# KiCad board ardumower mega shield svn.kicad_pcb (continued)
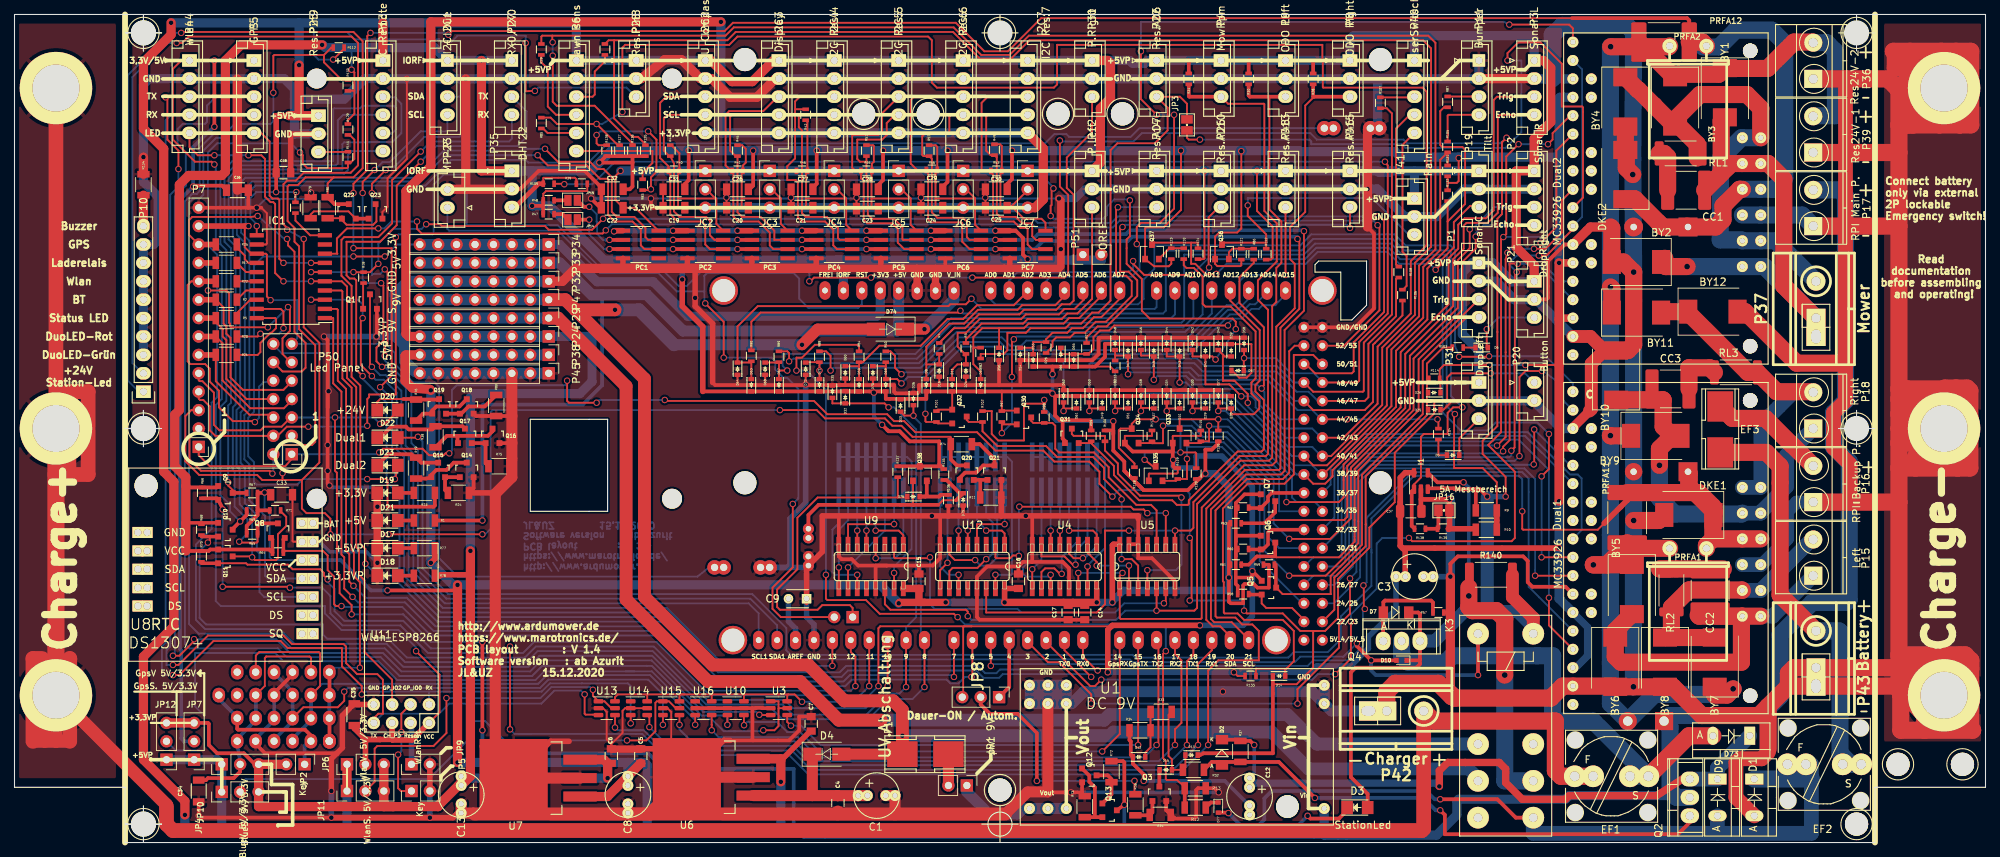
[diagram p0: board, top side]
## Routing (per net, layer and track width the routed paths; a pad name or vN(x,y) marks a point on that pad's centre or on a via; arc(x,y) is an arc through that point) (continued)
Resv.PinAD15: length 56.1
  Top w0.254: R27.1 147.83,69.72 149.35,71.25 150.62,71.25 154.81,75.44 154.81,77.6 153.61,78.8 152.53,78.8 152.46,78.87 152.46,84.84 152.59,84.96 v1(152.78,84.96) ; v1(184.15,84.84) P46.3
  Bottom w0.254: v1(184.15,84.84) 183.71,85.28 153.1,85.28 v1(152.78,84.96)
RX0: length 200.5
  Top w0.254: 147.57,27.69 SHIELD1.0 ; SHIELD1.0 147.32,25.65 149.23,23.75 v1(149.35,23.75) ; SHIELD1.0 147.32,26.92 ; SHIELD1.0 147.32,28.19 ; SHIELD1.0 147.32,28.83 ; v1(56.01,93.98) 52.7,90.68 52.7,85.22 50.42,82.93 45.78,82.93 45.78,78.3 46.23,77.85 46.86,77.85 47.12,77.6 47.12,65.28 v1(48.01,64.39)
  Bottom w0.254: P27.3 70.61,100.92 70.61,97.41 69.34,96.14 58.17,96.14 v1(56.01,93.98) ; v1(149.35,23.75) 149.23,23.88 135.89,23.88 135.38,23.37 133.86,23.37 132.84,24.38 114.68,24.38 113.79,23.5 97.03,23.5 89.41,31.11 58.55,31.11 53.09,36.58 53.09,48.01 51.31,49.78 51.31,60.71 48.01,64.01 v1(48.01,64.39)
RX1: length 103.7
  Top w0.254: v1(82.8,15.88) 82.8,17.59 U13.4 ; 165.1,27.18 SHIELD1.19 165.1,26.54 163.2,24.64 v1(163.2,13.46)
  Bottom w0.254: v1(82.8,15.88) 83.18,15.49 86.36,15.49 ; 86.36,15.49 84.64,15.49 ; 86.36,15.49 86.76,15.49 89.56,12.7 107.19,12.7 109.86,10.03 159.77,10.03 v1(163.2,13.46)
RX2: length 88.2
  Top w0.254: SHIELD1.17 160.02,26.03 160.91,25.15 160.91,16.51 160.02,15.62 v1(160.02,13.46) ; U15.4 91.69,16.26 v1(91.69,16.26)
  Bottom w0.254: v1(160.02,13.46) 157.8,11.24 110.3,11.24 107.57,13.97 93.34,13.97 91.69,15.62 v1(91.69,16.26)
SCL: length 187.7
  Top w0.254: SHIELD1.21 170.18,28.07 167.83,30.42 165.42,30.42 164.97,30.86 164.97,45.97 169.8,50.8 174.62,50.8 175.13,51.31 175.13,70.74 177.8,73.41 v1(177.8,84.39) ; PC5.2 118.74,83.19
  Top w0.508: v1(82.04,83.19) PC1.2 ; v1(90.8,83.19) PC2.2 ; v1(99.69,83.19) PC3.2 ; v1(108.58,83.19) PC4.2 ; v1(117.48,83.19) PC5.2 ; v1(126.36,83.19) PC6.2 ; v1(135.26,83.19) PC7.2 ; v1(79.25,87.76) 78.5,87.76 JP15.1
  Bottom w0.254: v1(82.04,83.19) 81.15,83.19 80.33,84.01 80.33,85.62 80.26,85.68 80.26,86.74 v1(79.25,87.76)
  Bottom w0.508: v1(177.8,84.39) 177.67,84.52 153.8,84.52 153.26,83.98 141.13,83.98 140.34,83.19 v1(135.26,83.19) v1(126.36,83.19) v1(117.48,83.19) v1(108.58,83.19) v1(99.69,83.19) v1(90.8,83.19) v1(82.04,83.19) 81.53,83.19
SCL1: length 134.5
  Top w0.254: PC1.7 87.38,83.19 86.99,83.57 86.99,84.84 85.47,86.36 83.06,86.36 82.36,87.06 82.36,91.84 81.24,92.96 80.36,92.96 79.34,93.98 74.93,93.98 v1(73.15,95.76)
  Bottom w0.254: U8.5 34.42,33.91 33.78,34.54 33.78,39.88 33.4,40.26 33.4,45.21 31.75,46.86 31.75,51.82 31.18,52.39 31.18,59.37 31.75,59.94 31.75,82.8 30.67,83.88 30.67,90.61 31.81,91.76 55.44,91.76 59.18,95.5 69.98,95.5 70.23,95.76 v1(73.15,95.76)
  Bottom w1.016: 41.02,33.91 39.52,33.91
SCL2: length 28.9
  Top w0.254: I2C2.4 90.04,100.45 89.53,99.95 89.53,95.5 90.28,94.75 R44.2 90.93,93.74 90.93,87.12 91.69,86.36 95.38,86.36 95.88,85.85 95.88,83.82 96.52,83.19 PC2.7
SCL3: length 29.9
  Top w0.254: I2C3.4 100.2,100.45 100.2,100.46 98.93,100.46 98.68,100.2 98.68,95.5 99.43,94.75 R45.2 99.69,87 100.33,86.36 102.87,86.36 104.77,84.45 104.77,83.19 PC3.7
SCL4: length 28.7
  Top w0.254: I2C4.4 108.15,100.45 108.14,100.46 108.14,98.74 108.58,98.3 108.58,92.71 ; 108.58,92.71 108.58,86.87 109.09,86.36 112.01,86.36 113.54,84.84 113.54,83.44 113.79,83.19 PC4.7 ; 108.58,92.71 R46.2
SCL5: length 29.5
  Top w0.254: 117.48,93.98 116.59,93.98 116.2,94.36 116.2,97.03 119.63,97.03 120.27,97.66 120.27,99.31 121.4,100.45 I2C5.4 ; 117.48,93.98 117.48,91.69 117.67,91.5 117.67,86.68 118.24,86.11 121.29,86.11 122.43,84.96 122.43,83.31 122.55,83.19 PC5.7 ; 117.48,93.98 R51.2
SCL6: length 29.3
  Top w0.254: I2C6.4 129.15,100.45 128.91,100.2 128.91,97.92 128.78,97.79 125.48,97.79 125.16,97.47 125.16,94.93 125.34,94.75 R52.2 126.49,94.37 126.49,87 127.25,86.23 130.81,86.23 131.32,85.72 131.32,83.57 131.7,83.19 PC6.7
SCL7: length 29.3
  Top w0.254: I2C7.4 134.23,100.45 133.99,100.2 133.99,95.5 134.61,94.88 R49.2 135.45,94.56 135.45,86.8 135.89,86.36 138.05,86.36 138.94,85.47 140.21,85.47 140.34,85.34 140.34,83.69 140.84,83.19 PC7.7
SCL22: length 130.4
  Top w0.254: v1(49.66,92.84) 48.01,91.19 v1(48.01,89.66) ; v1(50.67,65.66) 49.91,66.42 49.91,68.33 50.86,69.28 50.86,76.9 v1(50.55,77.22)
  Bottom w0.254: I2C1.4 59.69,98.3 59.56,98.17 56.01,98.17 51.75,93.92 50.74,93.92 v1(49.66,92.84) ; v1(50.67,65.66) 51.05,65.66 53.97,62.74 53.97,60.96 53.93,54.78 54.99,53.72 54.99,37.34 59.31,33.02 101.22,33.02 102.62,31.62 SHIELD1.SCL1 ; v1(50.55,77.22) 48.51,77.22 48.01,77.72 v1(48.01,89.66) ; SHIELD1.SCL1 102.62,27.56 ; SHIELD1.SCL1 102.62,27.31
SDA: length 183.9
  Top w0.254: v1(176.91,83.31) 177.17,83.06 177.17,73.66 174.56,71.06 174.56,51.63 174.37,51.44 169.67,51.44 164.34,46.1 164.34,30.73 165.23,29.84 166.24,29.84 167.64,28.45 SHIELD1.20 ; 109.79,81.91 PC4.3 109.86,81.91
  Top w0.508: v1(82.04,81.91) PC1.3 ; v1(90.8,81.91) PC2.3 ; v1(99.69,81.91) PC3.3 ; v1(108.58,81.91) PC4.3 ; v1(117.48,81.91) PC5.3 ; v1(126.36,81.91) PC6.3 ; v1(135.26,81.91) PC7.3 ; v1(79.25,85.98) JP14.1
  Bottom w0.254: 81.66,81.91 81.28,81.91 79.25,83.95 v1(79.25,85.98)
  Bottom w0.508: v1(176.91,83.31) 176.91,83.57 176.85,83.63 154.11,83.63 153.51,83.03 141.83,83.03 140.72,81.91 v1(135.26,81.91) v1(126.36,81.91) v1(117.48,81.91) v1(108.58,81.91) v1(99.69,81.91) v1(90.8,81.91) v1(82.04,81.91) 81.66,81.91
SDA1: length 131.6
  Top w0.254: PC1.6 86.87,81.91 86.36,82.42 86.36,84.58 85.22,85.72 82.76,85.72 81.85,86.63 81.85,91.63 80.72,91.63 78.88,93.47 73.53,93.47 v1(72.14,94.87)
  Bottom w0.254: v1(72.14,94.87) 59.44,94.87 55.82,91.25 55.44,91.25 32.77,91.25 31.24,89.73 31.24,84.2 32.39,83.06 32.39,59.69 31.69,58.99 31.69,52.9 32.39,52.2 32.39,47.24 34.54,45.09 34.54,36.83 34.92,36.45 U8.4 ; 39.52,36.45 39.23,36.45 ; 40.52,36.45 40.12,36.45
  Bottom w1.016: 39.52,36.45 41.02,36.45
SDA2: length 33.6
  Top w0.254: 90.42,92.2 90.42,92.27 ; 90.42,92.2 90.42,86.74 91.44,85.72 94.74,85.72 95.25,85.22 95.25,82.55 95.88,81.91 PC2.6 ; 90.42,92.2 90.42,92.47 R40.2 ; R40.2 90.04,92.71 ; R40.2 90.18,93.33 89.03,94.49 89.03,102.11 89.87,102.95 I2C2.3
SDA3: length 33.4
  Top w0.254: PC3.6 104.65,81.91 104.14,82.42 104.14,84.2 102.62,85.72 99.82,85.72 99.12,86.43 99.12,92.53 R41.2 98.81,92.71 98.04,93.47 98.04,100.46 98.55,100.97 103.25,100.97 105.24,102.95 I2C3.3
SDA4: length 35.5
  Top w0.254: I2C4.3 108.28,102.95 107.63,102.3 107.63,101.22 ; 107.63,101.22 109.08,101.22 R42.2 ; 107.63,101.22 107.63,94.43 106.55,93.34 106.55,91.44 107.7,91.44 108.01,91.12 108.01,86.23 108.08,86.23 108.58,85.72 111.76,85.72 112.9,84.58 112.9,82.42 113.41,81.91 PC4.6
SDA5: length 32.7
  Top w0.254: 116.52,92.71 115.95,92.71 115.51,93.15 115.51,97.66 119.13,97.66 119.63,98.17 119.63,100.66 I2C5.3 ; R55.2 116.73,91.68 117.09,91.31 117.09,85.98 117.6,85.47 121.03,85.47 121.79,84.71 121.79,82.8 122.68,81.91 PC5.6
SDA6: length 36.1
  Top w0.254: 125.6,92.78 125.54,92.84 ; 125.54,92.84 125.98,92.4 125.98,85.98 126.36,85.6 130.56,85.6 130.68,85.47 130.68,82.93 131.7,81.91 PC6.6 ; 125.54,92.84 124.46,92.84 123.57,93.73 123.57,102.49 123.95,102.87 130.81,102.87
SDA7: length 34.1
  Top w0.254: 139.7,102.87 134.11,102.87 133.35,102.11 133.35,92.84 133.48,92.71 134.43,92.71 134.94,92.2 134.94,86.17 135.38,85.72 137.8,85.72 138.68,84.84 139.57,84.84 139.7,84.71 139.7,82.55 140.34,81.91 PC7.6
SDA22: length 137
  Top w0.254: v1(51.05,79.12) 51.44,78.74 51.44,68.83 51.05,68.45 v1(51.05,67.18) ; v1(51.18,92.84) 49.28,90.93 v1(49.28,89.66)
  Bottom w0.254: I2C1.3 61.39,102.95 61.98,102.36 61.98,98.04 61.34,97.41 56.52,97.41 52.39,93.28 51.63,93.28 v1(51.18,92.84) ; v1(51.05,67.18) 51.05,66.55 54.74,62.86 54.74,55.12 55.63,54.23 55.63,37.59 59.56,33.66 101.47,33.66 105.16,29.97 SHIELD1.SDA1 ; v1(51.05,79.12) 50.42,78.49 49.4,78.49 49.28,78.36 v1(49.28,89.66) ; SHIELD1.SDA1 105.16,27.81 ; SHIELD1.SDA1 105.16,28.7 ; SHIELD1.SDA1 105.16,27.43
StationLed: length 413.8
  Top w0.254: v1(109.6,77.47) 109.6,77.34 110.24,77.98 v1(118.11,77.98) ; v1(132.08,77.98) 144.78,77.98 145.29,78.49 145.29,89.41 144.15,90.55 v1(144.15,96.9) ; v1(48.64,57.53) 48.64,61.21 48.89,61.47 48.89,61.85 52.58,61.85 v1(52.58,83.57) ; v1(40.51,57.4) 37.55,57.4 36.28,56.13 P50.4 ; v1(205.74,97.28) 205.11,96.65 205.11,86.74 204.47,86.11 204.47,70.48 204.47,67.69 204.47,57.49 202.44,55.46 202.44,53.64 205.61,50.46 v1(205.61,47.75) ; P50.4 36.2,56.13 ; P50.4 27.69,56.13 26.92,56.9 26.92,60.2 26.04,61.09 25.59,61.09 25.4,61.28 P7.4 25.53,62.23
  Top w0.508: v1(203.07,47.75) 202.05,48.77 201.29,48.77 ; D7.1 193.55,31.75 193.8,31.5 Q4.3 193.8,25.27 ; 201.29,48.77 198.59,48.77 198.47,48.9 195,48.9 194.88,48.77 ; 201.29,48.77 201.5,48.57 R9.1 ; 193.8,25.27 193.68,25.15 D10.1 ; 193.8,25.27 193.8,24.64 193.29,24.13 184.91,24.13 184.28,23.5 184.28,9.02 186.59,6.71 D3.2
  Top w1.778: K3.8 209.42,30.99 206.54,33.87 R140.1
  Bottom w0.254: v1(144.15,96.9) 144.27,96.77 154.31,96.77 155.45,97.92 178.69,97.92 179.58,97.03 191.52,97.03 192.02,96.52 204.85,96.52 v1(205.74,97.28) ; v1(52.58,83.57) 52.96,83.95 57.66,83.95 57.78,84.07 57.78,90.81 59.18,92.2 61.98,92.2 62.36,91.82 62.36,85.22 74.89,85.22 80.81,79.29 89.11,79.29 91.57,76.84 92.71,76.84 95,79.12 109.09,79.12 109.6,78.61 v1(109.6,77.47) ; v1(48.64,57.53) 48.51,57.4 v1(40.51,57.4) ; P7.4 25.27,62.23 ; v1(118.11,77.98) v1(132.08,77.98) ; 203.2,47.75 203.07,47.62
  Bottom w0.508: 193.68,27.94 Q4.3 ; K3.8 209.42,29.34 206.25,32.51 203.07,32.51
  Bottom w0.762: v1(205.61,47.75) 203.2,47.75
  Bottom w1.778: 202.82,31.88 199.9,31.88 195.83,27.81 Q4.3 ; 202.82,31.88 203.07,32.13 203.07,47.62 ; 202.82,31.88 207.26,31.88 209.42,29.72 K3.8
Taster: length 285.1
  Top w0.254: 173.52,21.84 176.78,21.84 179.07,24.13 179.07,29.08 179.2,29.21 179.83,29.21 ; 179.83,29.21 177.29,29.21 174.88,31.62 169.93,31.62 v1(169.55,32) ; 179.83,29.21 180.72,29.21 182.5,30.99 182.5,36.37 186.82,40.69 186.82,43.47 190.32,46.98 190.32,53.8 195.77,59.25 195.77,60.9 197.29,60.9 197.55,61.15 197.55,64.2 198.12,64.77 v1(203.57,64.77) ; v1(162.05,33.4) 162.31,33.66 162.31,41.78 v1(162.05,42.04) ; v1(151.38,47.75) 149.61,49.53 149.61,51.18 148.21,52.58 143.38,52.58 141.86,54.1 135.26,54.1 132.72,56.64 124.21,56.64 122.68,58.17 121.29,58.17 120.33,59.12 112.08,59.12 110.24,60.96 89.79,60.96 v1(89.66,61.09) ; P50.1 38.23,52.96 37.34,51.94 26.92,51.94 25.4,53.47 P7.1 ; v1(80.26,60.71) 76.45,60.71 76.2,60.96 v1(76.2,63.75) ; v1(50.29,53.85) 50.8,54.36 56.26,54.36 57.15,53.47 59.18,53.47 59.44,53.72 v1(59.94,53.72)
  Top w0.508: D14.1 173.52,12.32 163.96,12.32 163.45,12.06 D13.1
  Bottom w0.254: v1(162.05,42.04) 162.05,48.13 161.54,48.64 152.27,48.64 v1(151.38,47.75) ; v1(59.94,53.72) 60.33,54.1 60.33,62.48 60.96,63.12 75.95,63.12 76.2,63.37 v1(76.2,63.75) ; v1(80.26,60.71) 80.64,61.09 v1(89.66,61.09) ; v1(169.55,32) 169.55,33.4 v1(162.05,33.4) ; v1(50.29,53.85) 50.04,53.59 P50.1 ; 209.36,63.5 P20.1 208.28,64.77 v1(203.57,64.77)
TX0: length 196.8
  Top w0.254: v1(148.46,22.86) 144.78,26.54 SHIELD1.1 ; SHIELD1.1 144.78,28.19 ; SHIELD1.1 144.78,27.81 ; v1(56.01,95.38) 52.07,91.44 52.07,85.47 50.17,83.57 45.47,83.57 45.08,83.19 45.08,78.23 46.48,76.84 46.48,64.26 47.69,63.06 47.69,41.21 48.39,40.51 v1(48.39,38.48)
  Bottom w0.254: v1(56.01,95.38) 57.4,96.77 68.2,96.77 68.58,97.16 P27.4 ; v1(148.46,22.86) 148.08,23.24 136.27,23.24 135.76,22.73 133.6,22.73 132.59,23.75 114.94,23.75 114.05,22.86 96.77,22.86 89.15,30.48 58.29,30.48 51.82,36.96 49.91,36.96 v1(48.39,38.48)
TX1: length 94.1
  Top w0.254: SHIELD1.18 162.56,25.91 161.67,25.02 v1(161.67,13.46) ; v1(87.54,15.93) 87.54,17.29 U14.4
  Bottom w0.254: v1(161.67,13.46) 158.88,10.67 109.98,10.67 107.31,13.34 90.14,13.34 v1(87.54,15.93)
TX2: length 81.2
  Top w0.254: v1(96.14,15.49) 96.14,16.26 96.13,16.26 U16.4 ; 157.48,27.43 SHIELD1.16 157.73,27.69 157.73,13.46 157.48,13.59 v1(157.48,13.46)
  Bottom w0.254: v1(157.48,13.46) 155.77,11.75 110.81,11.75 108.01,14.54 97.09,14.54 v1(96.14,15.49)
Net-(C1-Pad1): length 21.5
  Top w1.524: 110.01,6.48 113.52,6.48 C4.1 116.32,6.46 C1.1 C1.1 ; 110.01,6.48 U6.1 ; 110.01,6.48 D4.1
Net-(C2-Pad1): length 32.5
  Top w0.254: Q38.1 123.89,46.67 ; 127.38,46.61 128.02,47.24 129.83,47.24
  Top w0.508: R135.2 128.51,50.05 130.34,48.22 D75.1 129.83,47.24 ; 123.95,46.61 123.89,46.67 ; 123.95,46.61 110.87,46.61 109.47,45.21 C2.1 ; 123.95,46.61 127.38,46.61
  Top w0.762: C2.1 C2.1
Net-(C9-Pad2): length 6.1
  Bottom w0.762: SHIELD1.AREF 107.7,29.54 106.72,30.52 C9.2
Net-(C12-Pad2): length 25.5
  Top w0.508: 153.92,15.31 R34.1 153.74,14.15 153.92,13.97 153.92,12.1 D12.2 154.22,10.88 155.7,9.4 v1(155.7,8.51)
  Bottom w0.254: 170.31,5.21 C12.2 C12.2
  Bottom w0.508: C12.2 166.88,8.51 v1(155.7,8.51)
Net-(C19-Pad1): length 22.3
  Top w0.254: R44.1 90.56,96.25 91.68,95.13 R40.1 91.5,92.53 91.5,88.9 ; PC2.8 96.77,85.39 96.77,88.9 96.65,88.9 ; 91.5,88.9 91.5,87.63 C19.1 ; 91.5,88.9 96.65,88.9 ; 96.65,88.9 95.38,90.17 JC2.2
Net-(C20-Pad1): length 23.2
  Top w0.254: 103.89,90.17 JC3.2 104.39,90.17 105.66,88.9 ; 100.27,88.9 100.27,87.63 C20.1 ; 100.27,88.9 105.66,88.9 ; 100.27,88.9 100.27,92.53 R41.1 100.44,93.46 100.84,93.85 100.84,95.76 100.34,96.25 R45.1 ; PC3.8 105.66,85.39 105.66,88.9
Net-(C21-Pad1): length 25.7
  Top w0.254: R42.1 109.33,99.47 R46.1 109.16,92.53 109.16,88.9 ; PC4.8 114.68,85.27 114.68,88.9 ; 109.16,88.9 109.16,87.63 C21.1 ; 109.16,88.9 114.68,88.9 ; 114.68,88.9 113.41,90.17 JC4.2
Net-(C23-Pad1): length 22.8
  Top w0.254: R51.1 118.38,96.25 118.49,96.14 118.49,93.98 118.23,93.71 R55.1 ; PC5.8 123.57,85.27 123.57,88.9 ; 118.17,88.9 118.17,87.5 C23.1 ; 118.17,88.9 118.17,92.46 ; 118.17,88.9 123.57,88.9 ; 123.57,88.9 122.3,90.17 JC5.2
Net-(C24-Pad1): length 24.6
  Top w0.254: 130.68,90.17 JC6.2 131.19,90.17 132.46,88.9 ; 127,88.9 127,87.63 C24.1 ; 127,88.9 127,91.06 ; 127,88.9 132.46,88.9 ; R52.1 127.01,96.25 127.24,96.02 R56.1 127,92.59 127,91.06 ; PC6.8 132.46,85.27 132.46,88.9 ; 127,91.06 127,92.4
Net-(C25-Pad1): length 21.9
  Top w0.254: 136.33,92.71 135.95,92.33 135.95,87.63 C25.1 ; R49.1 135.9,96.38 136.13,96.15 R53.1 ; PC7.8 142.16,85.55 141.61,86.11 139.19,86.11 137.67,87.63 C25.1 ; JC7.2 139.7,90.04 137.29,87.63 C25.1
Net-(C34-Pad1): length 32.7
  Top w0.254: U2.VCC 34.52,21.62 34.52,25.48 34.7,25.65 34.7,25.68 40.69,25.68 40.89,25.48 40.89,23.62 ; 33.27,20.45 33.27,20.51
  Top w0.508: JP4.2 31.11,9.78 30.23,8.89 26.67,8.89 26.39,8.61 C34.1
  Bottom w0.508: 33.27,20.45 33.27,16.89 30.73,14.35 30.73,13.34 31.11,11.3 JP4.2 31.11,11.43
Net-(C35-Pad1): length 143.9
  Top w0.254: P44.1 22.99,107.95 21.84,106.81 21.84,97.03 24.89,93.98 27.18,93.98 v1(27.56,93.6) ; U11.VCC 58.61,17.97 58.61,23.18 v1(55.37,26.42)
  Top w0.762: 52.07,14.22 U11.CH_P ; 52.07,14.22 50.42,14.22 ; 52.07,14.22 52.13,14.16 54.8,14.16 U11.VCC ; 50.42,14.22 48.64,14.22 48.39,13.97 48.39,10.79 ; 50.42,14.22 48.39,14.22 46.86,15.75 C35.1
  Bottom w0.254: v1(55.37,26.42) 55.37,26.92 52.96,29.34 45.08,29.34 42.8,31.62 42.8,32.64 28.45,32.64 27.75,33.34 27.75,60.39 28.57,61.21 28.57,81.41 27.75,82.23 27.75,93.41 v1(27.56,93.6)
Net-(C36-Pad1): length 107.9
  Top w0.508: v1(27.56,98.81) v1(27.56,107.95) ; v1(24.64,90.55) 24.77,90.68 28.6,90.68 C36.1
  Bottom w0.508: v1(27.56,107.95) P5.1 ; 24.64,13.97 23.37,13.97 22.99,14.35 22.99,26.54 22.79,26.74 22.79,88.71 24.63,90.55 v1(24.64,90.55) 24.64,96 26.69,98.04 v1(27.56,98.81)
Net-(CC1-Pad2): length 6
  Top w2.358: CC1.2 227.96,94.62 227.46,95.12 RL1.1
Net-(CC2-Pad2): length 10.4
  Top w2.358: RL2.1 226.86,37.76 235.63,37.76
Net-(CC3-Pad2): length 6.7
  Top w2.358: CC3.2 230.9,65.52 230.89,65.53 233.77,65.53 RL3.1
Net-(D1-Pad1): length 113.1
  Top w0.508: K3.16 207.01,3.43 204.47,5.97 v1(196.6,5.97) ; D77.2 167.32,4.13 v1(167.39,4.06)
  Bottom w0.508: v1(196.6,5.97) 195.83,5.97 194.69,7.11 173.36,7.11 172.34,6.1 172.34,3.18 171.45,2.29 169.16,2.29 v1(167.39,4.06)
  Bottom w2.032: 234.82,1.27 209.42,1.27 K3.16 ; 234.82,1.27 247.78,1.27 247.78,10.79 EF2.1 ; 234.82,1.27 D9.2
  Bottom w2.358: D1.1 247.78,8.76
Net-(D2-Pad2): length 74.7
  Top w0.508: v1(196.6,4.44) 197.23,3.81 197.23,1.14 229.36,1.14 231.01,2.79 Q2.1 ; R32.2 165.1,11.12 R37.2 174.34,11.12 v1(179.3,6.16)
  Bottom w0.508: v1(179.3,6.16) 194.25,6.16 195.97,4.44 v1(196.6,4.44)
Net-(D3-Pad1): length 44.9
  Top w0.48: v1(153.04,5.21) Q13.3
  Top w0.508: R72.1 152.86,11.23 153.04,11.05 v1(153.04,5.21) ; D3.1 183.75,4.42 182.63,3.3 178.69,3.3 v1(178.31,3.68)
  Bottom w0.508: v1(178.31,3.68) 176.15,1.52 153.67,1.52 153.04,2.16 v1(153.04,5.21)
Net-(D5-Pad2): length 3.3
  Top w0.254: R104.1 196.34,53.53 196.41,53.47 D5.2
Net-(D6-Pad2): length 1.7
  Top w0.254: 199.73,68.33 201.43,68.33
Net-(D7-Pad2): length 13.8
  Top w0.508: R57.1 195.59,33.14 195.33,33.4 188.98,33.4 188.75,33.17 D7.2 188.72,31.72 Q4.1
Net-(D10-Pad2): length 206.9
  Top w0.254: v1(49.28,65.66) 49.02,65.91 Q1.3
  Top w0.508: v1(185.1,27.51) 185.1,27.11 v1(187.07,25.15) D10.2 ; K3.9 v1(201.8,23.11)
  Bottom w0.254: v1(49.28,65.66) 50.42,64.52 51.18,64.52 53.34,62.36 53.34,54.48 54.36,53.47 54.36,37.08 59.05,32.39 89.92,32.39 97.03,25.27 153.8,25.27 154.18,24.89 176.53,24.89 177.29,25.65 183.25,25.65 v1(185.1,27.51)
  Bottom w0.508: v1(187.07,25.15) 187.07,23.75 187.71,23.11 v1(201.8,23.11)
Net-(D11-Pad2): length 29.6
  Top w0.254: SHIELD1.AD5 147.45,76.07 147.45,74.93 146.18,73.66 144.78,73.66 144.02,72.9 139.45,72.9 138.81,72.26 133.1,72.26 131.19,70.36 130.05,70.36 130.05,68.45 131.05,67.45 R3.2 D24.1 130.01,66 129.29,65.28 D11.2 ; 131,67.25 131.19,67.25 130.87,67.25
Net-(D12-Pad1): length 6.5
  Top w0.254: R33.1 156.64,18.01 R34.2 156.64,13.13 155.92,12.41 D12.1
Net-(D13-Pad2): length 12.1
  Top w0.254: R33.2 159.13,17.6 159.13,11.94 159.6,11.47 D15.2 R32.1 161.46,10.38 D13.2
Net-(D15-Pad1): length 2.3
  Top w0.508: D15.1 157.86,9.99 Q3.3
Net-(D16-Pad1): length 30.2
  Top w0.254: SHIELD1.AD4 144.78,75.44 143.51,74.17 138.94,74.17 138.3,73.53 132.84,73.53 130.94,71.63 128.91,71.63 125.73,68.45 125.73,66 ; 125.73,66 D8.2 ; 125.73,66 D16.1 127.51,67.25
Net-(D17-Pad2): length 2.2
  Top w0.508: D17.2 R77.2
Net-(D18-Pad2): length 2.2
  Top w0.508: R78.2 D18.2
Net-(D19-Pad2): length 2.2
  Top w0.508: D19.2 R23.2
Net-(D20-Pad1): length 10
  Top w0.254: 53.59,61.21 50.42,61.21 50.02,60.81 D20.1 ; 58.53,61.21 Q19.3 58.4,61.2
  Top w0.508: Q19.3 58.49,61.14 R76.1 55.3,61.21 53.59,61.21
Net-(D21-Pad2): length 2.2
  Top w0.508: R1.2 D21.2
Net-(D22-Pad1): length 14.6
  Top w0.254: 50.29,55.88 D22.1 50.02,56.49
  Top w0.508: Q17.3 61.78,57.46 R38.1 57.61,57.02 54.36,57.02 53.97,57.4 51.94,57.4 50.42,55.88 D22.1 50.02,55.39
Net-(D23-Pad1): length 9.7
  Top w0.508: 55.43,53.2 R19.1 ; R19.1 56.08,52.43 Q15.3 58.35,52.5 ; R19.1 55.19,53.14 54.74,53.59 51.54,53.59 D23.1
Net-(D25-Pad1): length 47.7
  Top w0.254: 198.03,68.33 196.98,68.33 194.75,66.1 194.75,64.01 ; 194.75,64.01 194.75,62.1 ; 194.75,64.01 194.75,63.6 194.92,64.01 ; 194.75,62.1 194.75,60.45 ; 194.75,62.1 194.75,62.27 D26.2 ; 194.75,60.45 194.75,58.99 186.31,50.55 186.31,43.91 186.31,40.9 181.99,36.58 181.99,32.13 SHIELD1.23 ; 194.75,60.45 194.75,59.96 194.89,59.82
Net-(D27-Pad1): length 59.2
  Top w0.254: v1(165.99,59.56) D27.1 165.99,59.94 166.01,59.92 D28.2 167.77,59.12 170.88,59.12 171.64,59.88 171.64,60.9 170.56,61.98 170.56,63.5 171.13,64.07 171.13,70.55 167.7,73.98 164.21,73.98 163.83,74.36 163.83,78.11 162.62,79.31 161.61,79.31 161.23,79.69 R110.2
  Bottom w0.254: 180.85,45.72 SHIELD1.35 180.34,45.97 179.32,46.99 176.78,46.99 176.15,47.62 176.15,50.42 167.01,59.56 v1(165.99,59.56)
Net-(D29-Pad2): length 94.9
  Top w0.254: R87.2 197.12,101.48 196.6,100.97 196.6,96.27 196.85,96.01 199.64,96.01 200.03,95.63 200.03,88.14 197.61,85.72 ; v1(162.43,59.56) D30.1 162.43,59.92 D29.2 ; 197.61,85.72 R132.1 ; 197.61,85.72 197.61,82.04 194.82,79.25 194.82,72.2 190.5,67.88 190.5,60.15 181.74,51.38 181.74,50.54 180.73,49.53 179.07,49.53 SHIELD1.38
  Bottom w0.254: v1(162.43,59.56) 162.43,60.71 166.88,60.71 176.78,50.8 SHIELD1.38 177.29,50.8
Net-(D31-Pad2): length 85.1
  Top w0.254: 180.59,50.8 SHIELD1.39 180.43,50.8 189.86,60.23 189.86,68.07 194.25,72.45 194.25,79.44 196.6,81.79 196.6,94.25 R105.2 R131.1 ; v1(158.88,59.56) D34.1 158.88,59.92 D31.2
  Bottom w0.254: v1(158.88,59.56) 158.88,61.34 167.13,61.34 176.4,52.07 178.94,52.07 180.21,50.8 SHIELD1.39
Net-(D32-Pad2): length 252.1
  Top w0.254: v1(39.37,95.25) 39.75,94.87 39.75,93.73 40.39,93.09 45.85,93.09 45.97,93.22 R111.2 46.37,93.87 46.86,94.36 46.86,97.03 46.22,97.68 R129.1 ; 112.78,61.51 112.78,60.62 D32.2 119.98,60.62 v1(120.52,60.07) ; SHIELD1.9 122.94,28.7 ; SHIELD1.9 122.94,28.96 ; SHIELD1.9 122.94,28.19 ; SHIELD1.9 v1(122.94,21.46)
  Bottom w0.254: v1(120.52,60.07) 121.29,60.07 124.33,57.02 124.33,31.11 122.94,29.72 SHIELD1.9 ; v1(122.94,21.46) 122.05,20.57 120.4,20.57 117.48,17.65 107.31,17.65 105.92,19.05 95.37,19.05 88.01,26.42 72.14,26.42 70.61,24.89 53.85,24.89 51.31,27.43 38.61,27.43 36.58,29.46 26.29,29.46 25.02,30.73 25.02,41.15 27.18,43.31 27.18,60.71 27.94,61.47 27.94,81.15 26.67,82.42 26.67,95.25 27.94,96.52 38.1,96.52 v1(39.37,95.25)
Net-(D33-Pad2): length 253.6
  Top w0.254: 42.67,108.71 35.81,108.71 35.69,108.59 v1(35.69,103.5) ; 42.67,108.71 43.69,109.73 R112.2 ; 42.67,108.71 42.67,107.7 45.1,105.27 R130.1 ; D33.2 122.72,58.93 v1(123.95,58.93) D36.1 ; SHIELD1.8 v1(125.48,21.46) ; SHIELD1.8 125.48,28.07 ; SHIELD1.8 125.48,28.45
  Bottom w0.254: 125.22,28.19 SHIELD1.8 124.97,28.45 124.97,57.78 123.95,58.8 v1(123.95,58.93) ; v1(125.48,21.46) 123.83,19.81 120.52,19.81 117.73,17.02 105.87,17.02 104.35,18.54 95.16,18.54 87.92,25.78 72.39,25.78 70.87,24.26 53.59,24.26 51.05,26.8 38.23,26.8 36.2,28.83 25.4,28.83 24.07,30.16 24.07,88.33 24.64,88.9 25.53,88.9 26.04,89.41 26.04,95.5 27.81,97.28 28.46,97.28 30.38,99.2 35.32,99.2 35.69,99.57 v1(35.69,103.5)
Net-(D37-Pad2): length 250.9
  Top w0.254: 155.32,59.98 D38.1 ; 155.32,59.98 v1(155.32,59.56) ; 155.32,59.98 157.1,59.98 ; R29.2 72.64,111.25 72.77,111.38 74.16,111.38 ; v1(74.22,108.61) 74.22,102.25 74.76,101.7 80,101.7 85.22,96.48 R126.1 85.22,96.39 ; v1(74.21,110.46) 74.16,110.52 74.16,111.38 ; 74.16,111.38 98.04,111.38 99.19,112.52 129.5,112.52 133.31,108.71 137.2,108.71 139.87,111.38 194.95,111.38 195.94,110.39 195.94,81.89 193.68,79.63 193.68,72.64 189.23,68.2 189.23,60.31 180.99,52.07 179.07,52.07 SHIELD1.40
  Bottom w0.254: v1(155.32,59.56) 155.32,61.85 155.45,61.98 167.51,61.98 176.15,53.34 SHIELD1.40 177.29,53.34 ; v1(74.22,108.61) 74.21,108.62 v1(74.21,110.46)
Net-(D39-Pad2): length 222.2
  Top w0.254: 166.62,67.35 166.88,67.09 D39.2 ; 166.62,67.35 166.62,63.75 168.21,63.75 170.05,61.91 v1(170.05,60.71) ; 166.62,67.35 D40.1 ; R54.2 81.93,110.74 82.68,110.74 ; 82.68,110.74 82.68,99.95 85.22,97.41 85.98,97.41 86.99,96.39 R125.1 ; 82.68,110.74 98.3,110.74 99.44,111.89 129.41,111.89 133.1,108.2 137.41,108.2 139.95,110.74 194.21,110.74 195.33,109.63 195.33,82.23 193.1,80.01 193.1,72.83 188.59,68.33 188.59,60.4 181.54,53.34 SHIELD1.41
  Bottom w0.254: 180.21,53.34 178.94,54.61 175.64,54.61 170.05,60.2 v1(170.05,60.71)
Net-(D41-Pad2): length 156.5
  Top w0.254: D42.1 162.43,67.09 D41.2 ; v1(165.61,66.67) 165.19,67.09 D41.2 ; D41.2 164.21,63.25 167.51,63.25 v1(169.16,61.59) ; v1(87.38,98.17) 88.52,97.03 88.52,92.58 87.76,91.82 v1(87.76,90.17) 87.64,90.06 R83.2 ; v1(80.26,97.66) 80.26,96.52 80.53,96.25 R128.1 ; v1(153.8,88.65) 153.8,83.69 153.35,83.25 153.35,79.88 155.45,77.79 155.45,73.41 156.53,72.33 167.96,72.33 168.4,71.88 v1(168.4,70.87) ; v1(143.26,90.3) 143,90.04 143,88.01 142.88,87.88 v1(142.88,86.49)
  Bottom w0.254: v1(165.61,66.67) v1(168.4,70.87) ; v1(169.16,61.59) 170.56,61.59 171.13,61.02 171.13,60.07 175.32,55.88 SHIELD1.42 ; v1(80.26,97.66) 80.77,98.17 v1(87.38,98.17) ; v1(153.8,88.65) 153.67,88.77 151.64,88.77 150.62,87.76 150.62,86.61 150.11,86.11 143.26,86.11 v1(142.88,86.49) ; SHIELD1.42 177.17,55.88 ; SHIELD1.42 177.29,55.88 ; v1(143.26,90.3) 143.26,90.42 142.24,91.44 87.76,91.44 v1(87.76,90.17)
Net-(D43-Pad2): length 240.1
  Top w0.254: D44.1 158.88,67.09 D43.2 v1(160.66,63.5) ; 180.72,55.88 SHIELD1.43 183.26,55.88 187.96,60.58 187.96,68.45 192.53,73.03 192.53,80.26 194.72,82.45 194.72,103.63 194.14,104.2 180.47,104.2 180.4,104.27 180.4,108.08 180.34,108.08 180.34,110.11 143.76,110.11 143.76,104.65 143.32,104.2 127.19,104.2 126.49,104.9 126.49,110.74 125.98,111.25 99.69,111.25 98.55,110.11 84.2,110.11 83.82,109.73 v1(83.82,100.84) ; R85.2 73.93,100.06 74.8,99.19 v1(80.26,99.19) 83.2,96.25 R127.1
  Bottom w0.254: 180.21,55.88 178.94,57.15 174.94,57.15 171.7,60.39 171.7,61.21 170.31,62.61 162.43,62.61 161.54,63.5 v1(160.66,63.5) ; v1(83.82,100.84) 81.03,99.19 v1(80.26,99.19)
Net-(D45-Pad2): length 50.8
  Top w0.254: D46.1 155.32,67.26 155.36,67.22 157.1,67.22 ; v1(157.1,63.88) D45.2 ; v1(171.96,62.67) 172.28,63.12 172.28,71.12 168.91,74.49 168.91,78.04 170.88,80.01 R86.2 170.88,80.33
  Bottom w0.254: v1(157.1,63.88) 157.61,64.39 161.54,64.39 162.69,63.25 171.26,63.25 v1(171.96,62.67) 172.34,62.17 172.34,60.58 174.5,58.42 SHIELD1.44 177.29,58.42
